# Altium PCB DC_DC_CONVERTER.PcbDoc
Units mm, origin at the board's own origin, x right, y up, seen from the top; angles counter-clockwise.
Board outline 109.38 x 97.1 mm, 2 copper layers (Top Layer, Bottom Layer); 42 components, 26 nets, 112 pads, 15 vias.
Unrouted connection lines stored in the file: 9.
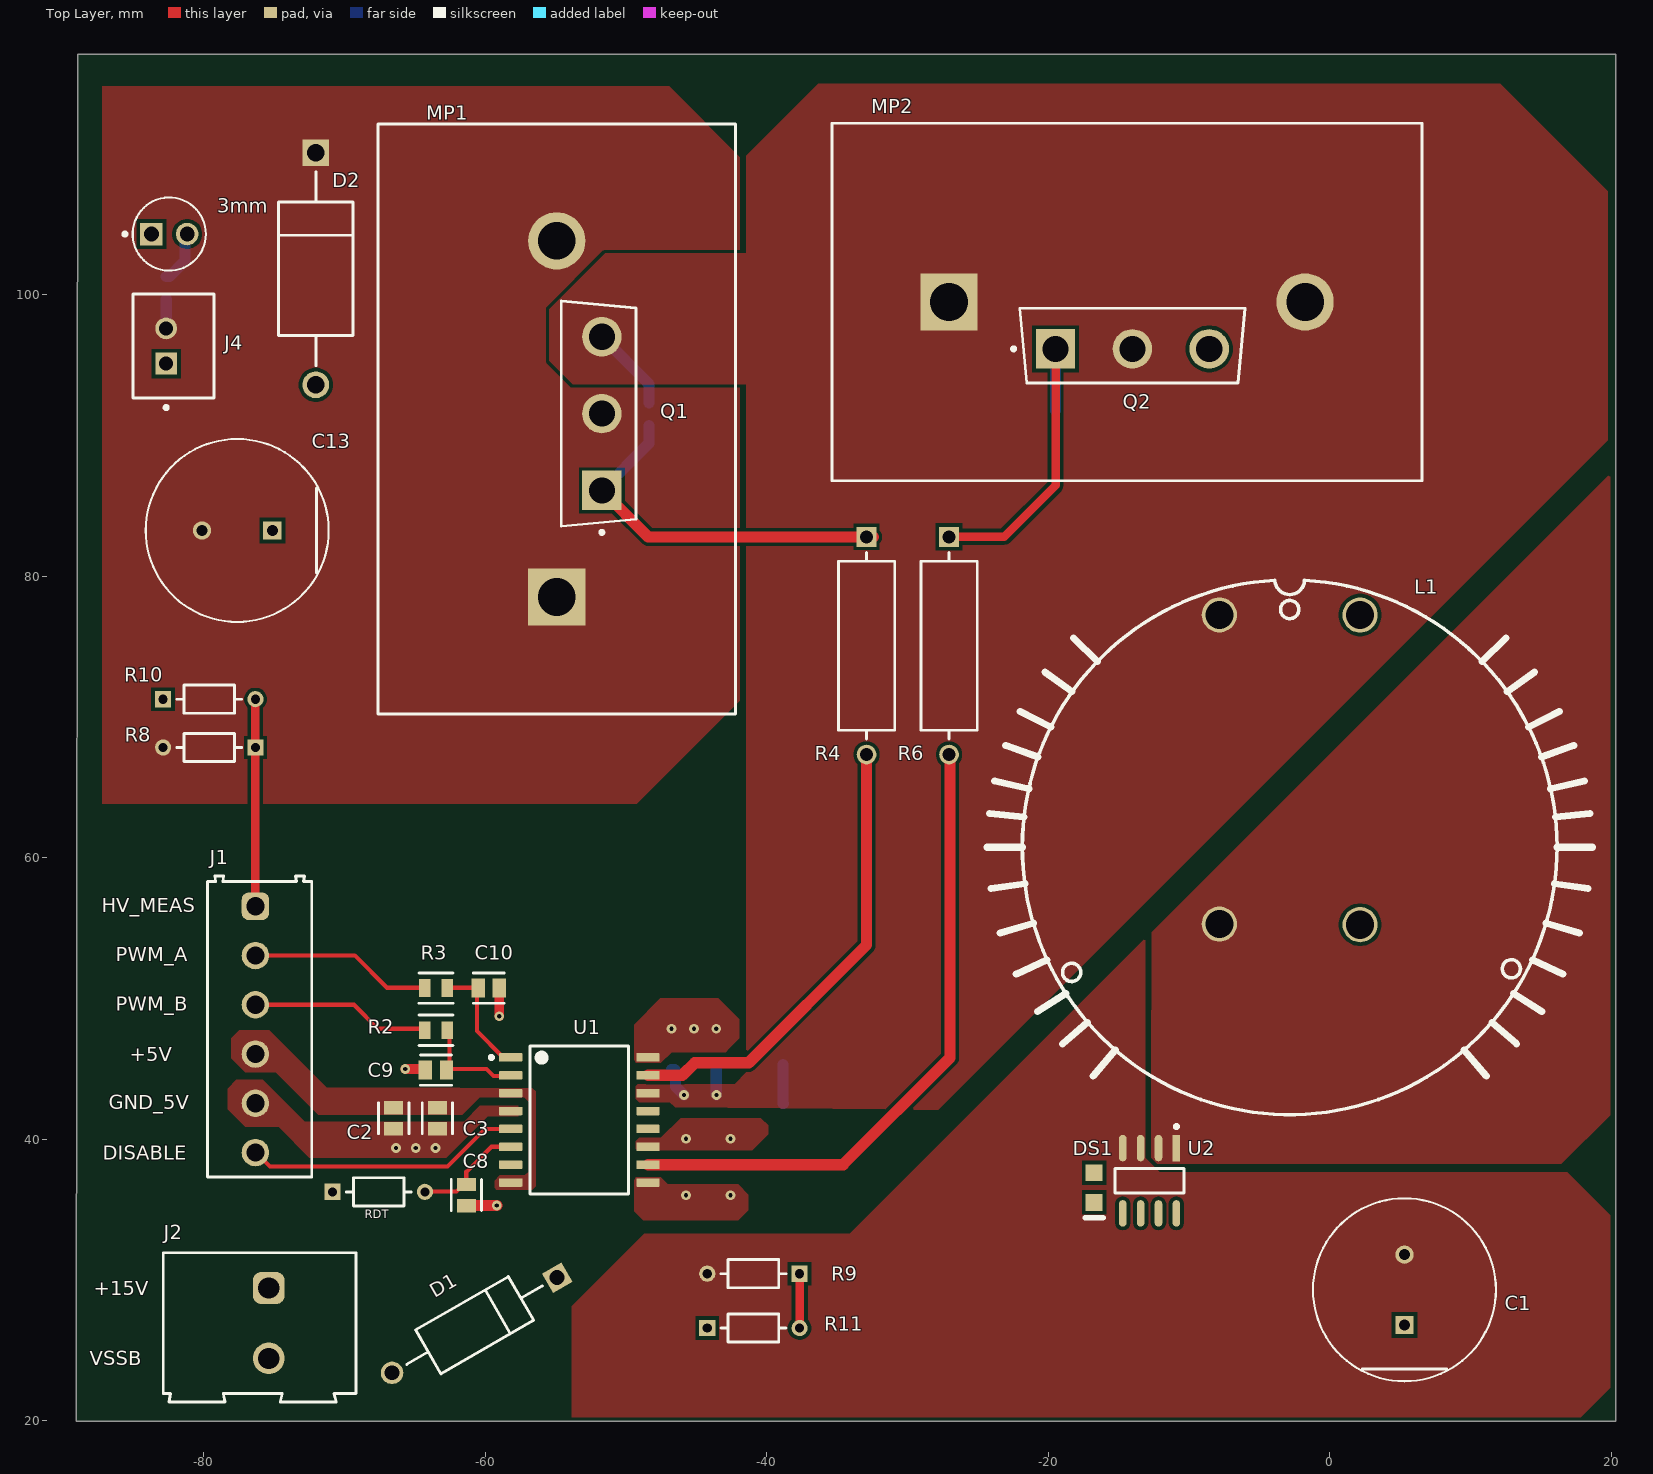
[diagram p0: Top Layer view]
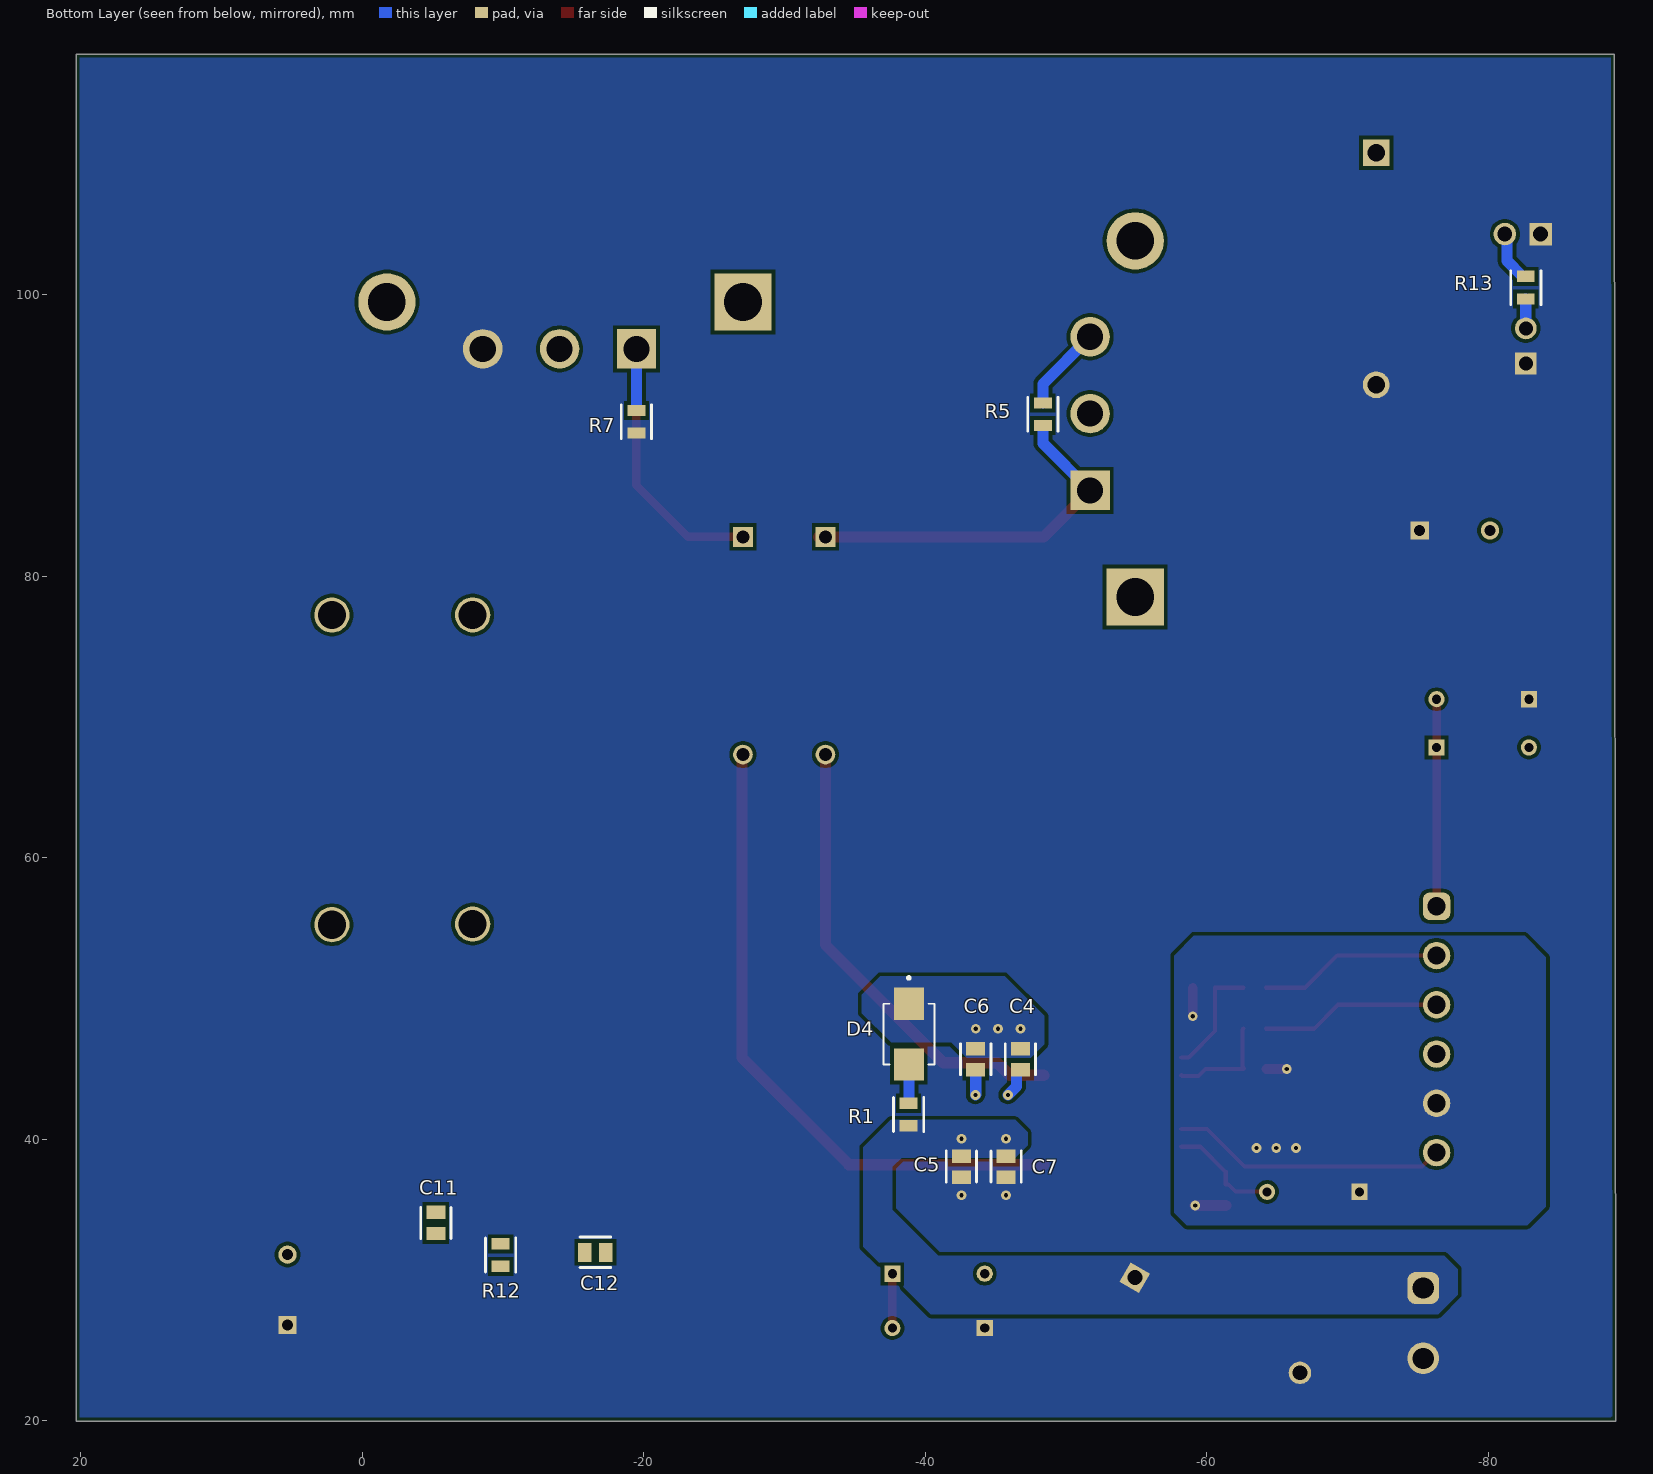
[diagram p1: Bottom Layer view, seen from below]
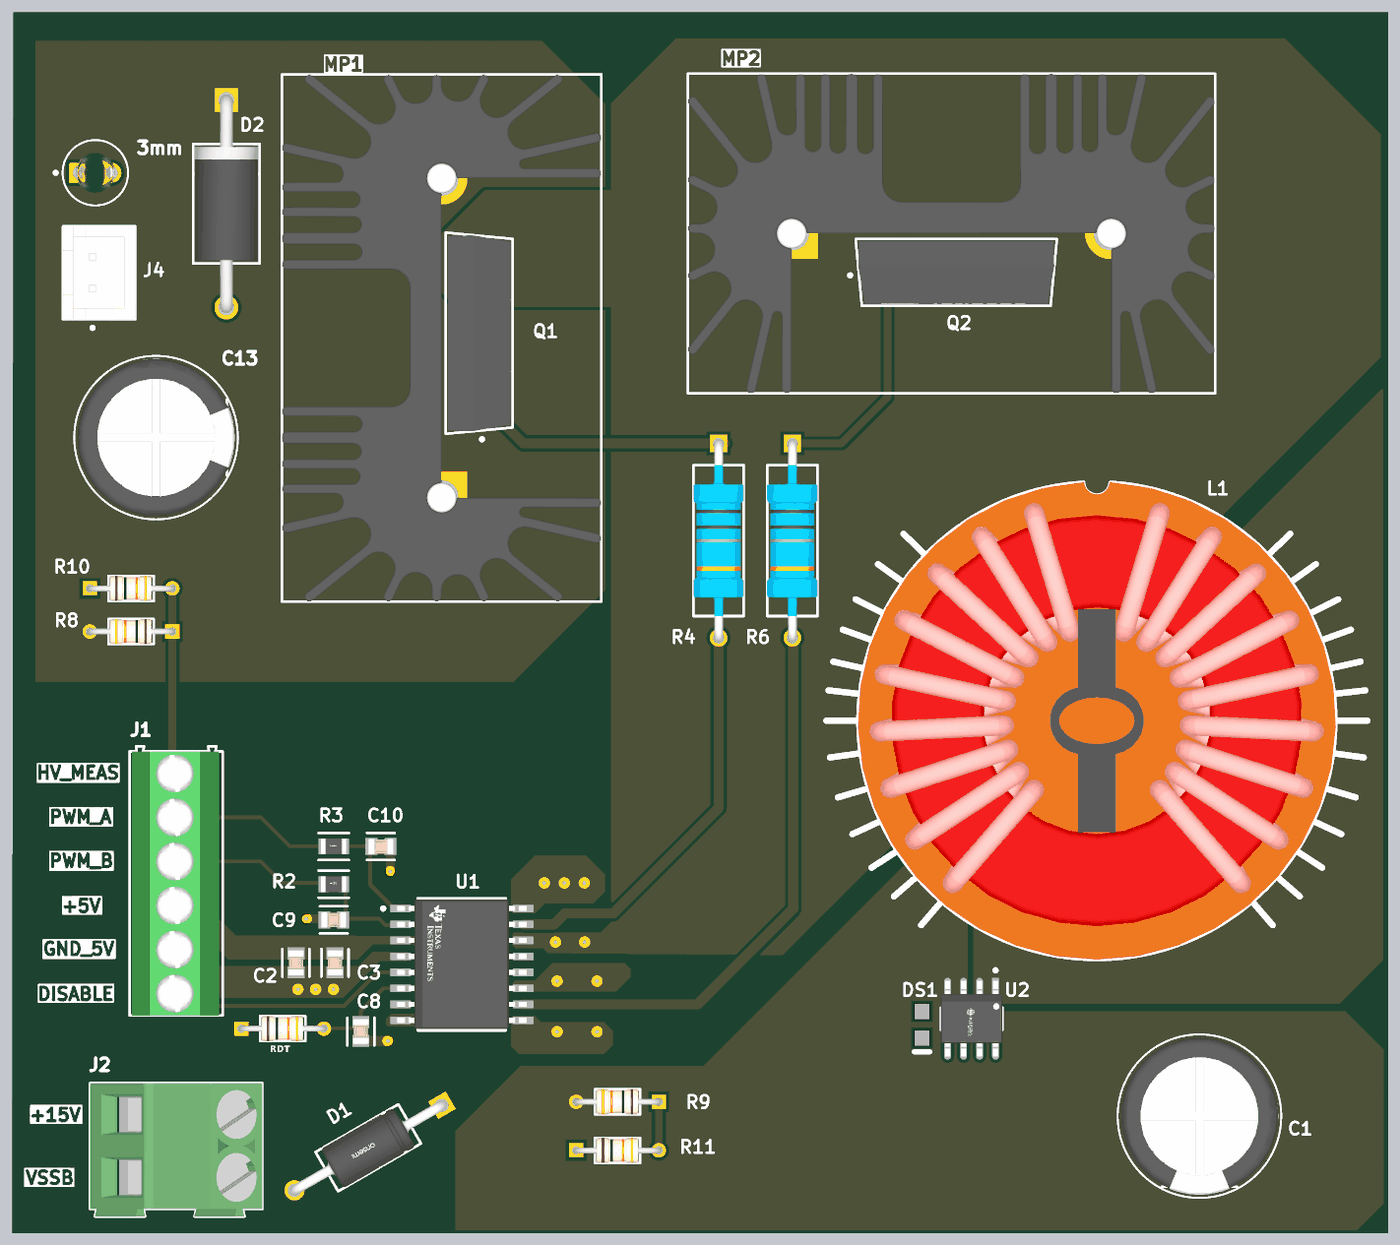
[diagram p2: 3D render of the assembled board from above, using the file's embedded part models]
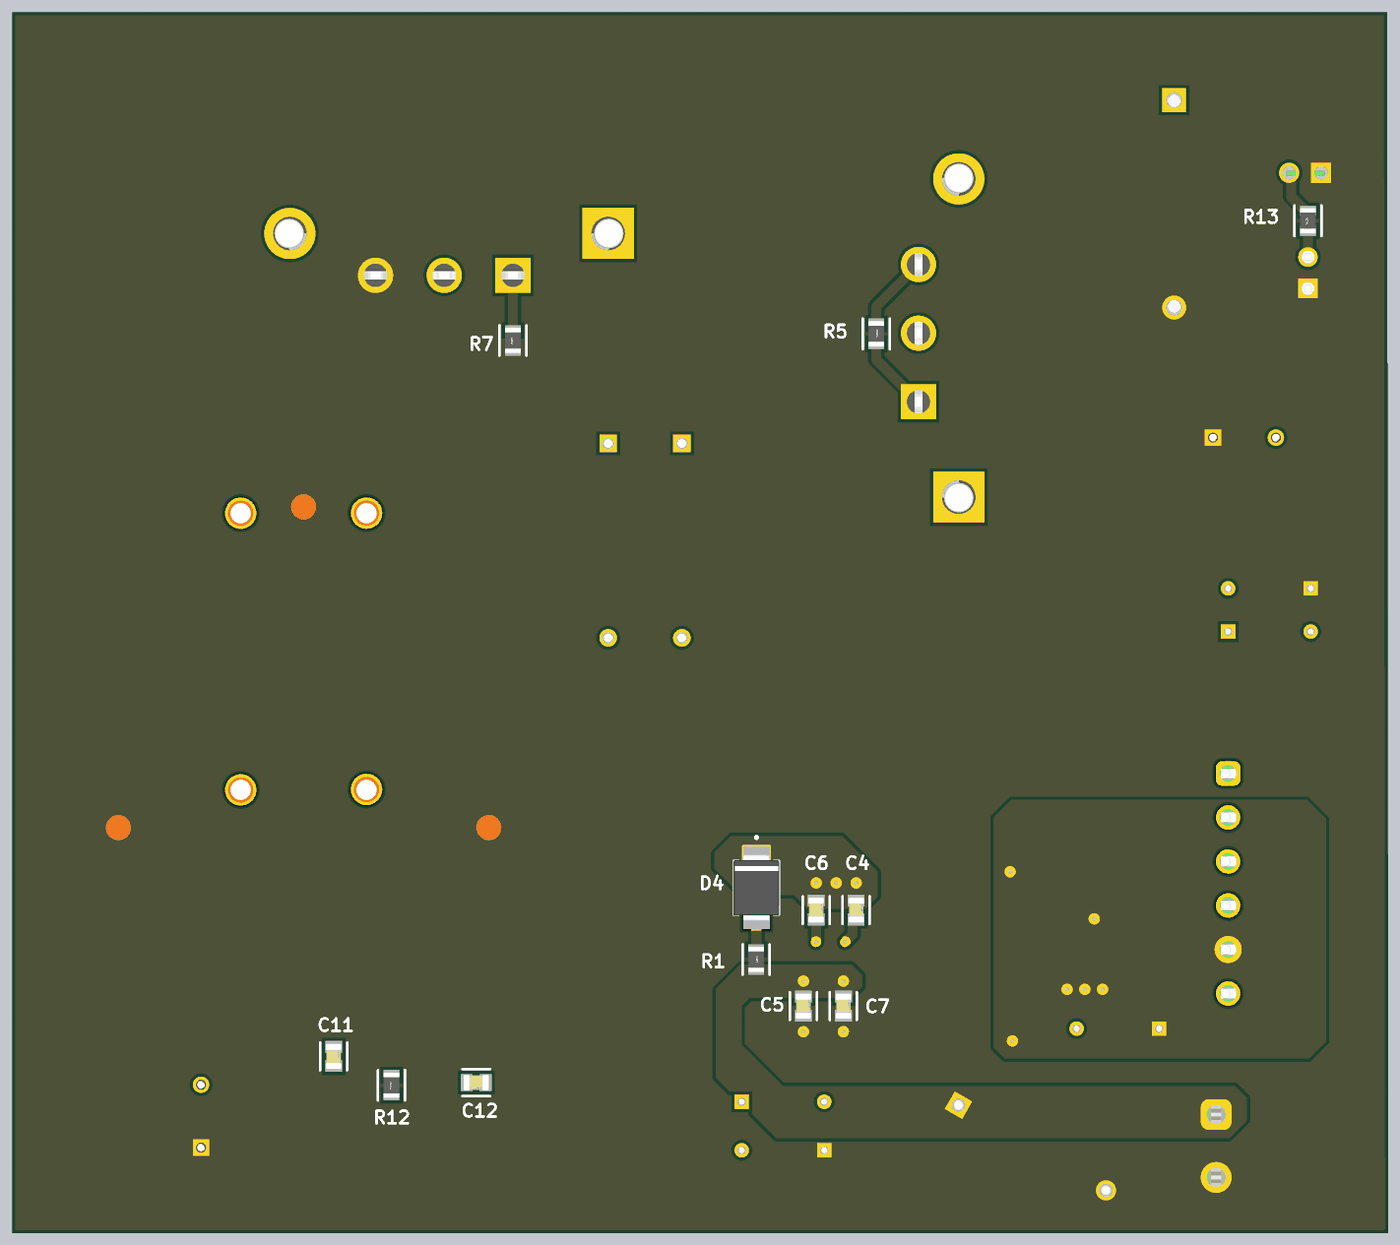
[diagram p3: 3D render of the assembled board from below, using the file's embedded part models]

## Layer stack, top to bottom
Top Solder: solder mask 0.0102, Solder Resist, Dk 3.5
Top Layer: signal copper 0.0356
Dielectric 1: dielectric 0.32, FR-4, Dk 4.8
Bottom Layer: signal copper 0.0356
Bottom Solder: solder mask 0.0102, Solder Resist, Dk 3.5

## Board outline
-89.058,19.99 20.32,19.99 20.32,117.094 -88.96,117.094

## Design rules (kind name [scope] priority, off if disabled: settings)
BoardOutlineClearance [All] p1: gap=0.254 ignorepadtopadclearanceinfootprint=FALSE except(0: Arc-SplitContinuation Track-SplitContinuation SMDPad-SplitContinuation THPad-SplitContinuation Via-SplitContinuation Fill-SplitContinuation Poly-SplitContinuation Region-SplitContinuation Text-SplitContinuation; 0.4: Track-OutlineEdge)
Clearance [All] p1: gap=0.254 ignorepadtopadclearanceinfootprint=FALSE except(0: Arc-Hole Track-Hole SMDPad-Hole THPad-Hole Via-Hole Fill-Hole Poly-Hole Region-Hole Text-Hole; 0.3: Arc-SMDPad Arc-Via Track-SMDPad Track-Via SMDPad-SMDPad Via-Via; 0.4: Arc-THPad Track-THPad; 0.6: THPad-THPad)
HoleSize [All] p1: absolutevalues=TRUE maxlimit=6.3 minlimit=0.3 maxpercent=80.000 minpercent=20.000
HoleToHoleClearance [All] p1: gap=0.6 allowstackedmicrovias=TRUE
MinimumAnnularRing [All] p1: minimumring=0.2
PlaneClearance [All] p1: clearance=1
PlaneConnect [All] p1: planeconnectstyle=Direct reliefexpansion=0.508 reliefentries=4 reliefconductorwidth=0.6 reliefairgap=0.6
PolygonConnect [All] p1: connectstyle=Direct reliefconductorwidth=0.254 reliefentries=4 polygonreliefangle="90 Angle" airgapwidth=0.254
RoutingVias [All] p1: holewidth=0.35 width=0.6 viastyle="Through Hole" minholewidth=0.3 minwidth=0.5 maxholewidth=0.711 maxwidth=1.27
SolderMaskExpansion [All] p1: expansion=0.102 istentingtop=FALSE
Width [All] p1: maxlimit=1.5 minlimit=0.254 preferedwidth=0.6 minimp=50.000000 maximp=50.000000 favimp=50.000000
26 further rules are at their usual default settings.

## Classes and differential pairs
component class Power_Connection: 3mm C1 C11 C12 C13 D2 DS1 J1 J2 J4 L1 MP1 MP2 Q1 Q2 R4 R5 R6 R7 R8 R9 R10 R11 R12 R13 U2
component class Gate_Driver_Connection: C3 C4 C5 C6 C7 C8 C9 C10 C13 D1 D4 R1 R2 R3 RDT U1

## Components (designator, comment, footprint, x,y, rotation, side; value= is the part's Value field where it differs from the comment)
3mm "TLLG4401" FP-6_544-5255_01-4-MFG -82.448,104.318 r0 top
C1 "22uF" FP-RAD-TH-D_12_5_0_5-L_20-MFG 5.309,29.312 r90 top
C2 "2.2 uF" FP-C0805C-DN-MFG -63.398,41.504 r270 top value="0.22 μF"
C3 "220 nF" FP-C0805C-DN-MFG -66.5,41.5 r270 top value="0.22 μF"
C4 "10 uF" FP-C0805C-DN-MFG -46.761,45.695 r270 bottom value="0.22 μF"
C5 "10 uF" FP-C0805C-DN-MFG -42.57,38.063 r270 bottom value="0.22 μF"
C6 "220 nF" FP-C0805C-DN-MFG -43.586,45.695 r270 bottom value="0.22 μF"
C7 "220 nF" FP-C0805C-DN-MFG -45.745,38.063 r270 bottom value="0.22 μF"
C8 "2.2 nF" FP-C0805C-DN-MFG -61.341,36.043 r270 top value="0.22 μF"
C9 "20 pF" FP-C0805C-DN-MFG -63.5,44.915 r180 top value="0.22 μF"
C10 "20 pF" FP-C0805C-DN-MFG -59.75,50.75 r0 top value="0.22 μF"
C11 "220 nF" FP-C0805C-DN-MFG -5.232,34.061 r270 bottom value="0.22 μF"
C12 "1 nF" FP-C0805C-DN-MFG -16.561,31.979 r0 bottom value="0.22 μF"
C13 "22uF" FP-RAD-TH-D_12_5_0_5-L_20-MFG -77.622,83.261 r180 top
D1 "P6KE15A" FP-DO-15-MFG -60.757,26.797 r210 top
D2 "1.5KE150A" FP-DO-201-0 -72.034,101.854 r270 top value=2700pF
D4 "ES3GB" DIOM4336X265N -38.837,47.473 r270 bottom
DS1 "HSMG-C170" AVAG-HSMX-C170_V -16.739,36.576 r270 top
J1 "KF350-6P" PCBComponent_1#1 -76.327,47.811 r270 top
J2 "691211720002" 691211720002 -76.027,26.939 r270 top
J4 "B2B-XH-A(LF)(SN)" FP-B2B-XH-A_LF_SN-MFG -82.144,96.368 r90 top
L1 "Common Mode Choke" PCBComponent_1#2 -2.845,60.752 r0 top
MP1 "532702B02500G" FP-532702B02500G-MFG -54.917,91.182 r90 top
MP2 "532702B02500G" FP-532702B02500G-MFG -14.402,99.492 r0 top
Q1 "IRFP4227PBF" FP-PG-TO247-3-MFG -51.945,91.563 r180 top
Q2 "IRFP4227PBF" FP-PG-TO247-3-MFG -14.022,96.392 r90 top
R1 "120" FP-RC0805-0_6-IPC_C -38.811,41.763 r270 bottom
R2 "100" FP-RC0805-0_6-IPC_C -63.5,47.75 r0 top
R3 "100" FP-RC0805-0_6-IPC_C -63.5,50.75 r0 top
R4 "22" FP-VR37-MFG -32.91,75.071 r270 top
R5 "100K" FP-RC0805-0_6-IPC_C -48.362,91.516 r270 bottom
R6 "22" FP-VR37-MFG -27.049,75.071 r270 top
R7 "100K" FP-RC0805-0_6-IPC_C -19.482,90.983 r90 bottom
R8 "200K" FP-CF18-MFG -79.607,67.843 r180 top value=10kΩ
R9 "200K" FP-CF18-MFG -40.945,30.455 r180 top value=10kΩ
R10 "200K" FP-CF18-MFG -79.607,71.272 r0 top value=10kΩ
R11 "200K" FP-CF18-MFG -40.945,26.594 r0 top value=10kΩ
R12 "2.2K" FP-RC0805-0_6-IPC_C -9.83,31.775 r90 bottom
R13 "100" FP-RC0805-0_6-IPC_C -82.669,100.508 r90 bottom
RDT "200K" FP-CF18-MFG -67.564,36.271 r0 top value=10kΩ
U1 "UCC21520DW" FP-DW0016B-MFG -53.316,41.377 r0 top
U2 "ACS712ELCTR-30A-T" FP-LC-8-IPC_C -12.802,37.059 r270 top

## Footprints (in the part's own frame and the unit in brackets; to place one, negate y for a bottom-side part, rotate by r counter-clockwise, add the part's x,y. Pads: shape width x height; smd on the part's side, far side on the other; paste and mask are expansions set on the pad)
691211720002 [mm] "5,00mm - modular - green -45¡ã entry with rising cage clamp - 02p"
  rrect50% 2.25x2.25 hole 1.5: 1(-2.5,0.65)
  round 2.25 hole 1.5: 2(2.5,0.65)
  silkscreen extent -5,-6.85 5.6,6.85, body extent -5,-6.85 5.6,6.85, height 15.72
AVAG-HSMX-C170_V [mm] "SMD, 2-Leads, Body 2x1.25mm, Height 0.8mm"
  rect 1.2x1.2 smd: 1(-1.05,0) 2(1.05,0)
  silkscreen extent 2.15,-0.63 2.15,0.63, body extent -1,-0.63 1,0.63, height 0.8
DIOM4336X265N [mm]
  rect 2.28x2.12 smd: A(2.165,0) C(-2.165,0)
  silkscreen extent -4.1,-1.81 2.16,1.81, body extent -2.67,-1.81 2.67,1.81, height 2.65
FP-6_544-5255_01-4-MFG [mm]
  rect 1.6x1.6 hole 1.05 paste-2539.97 mask+0: 1(-1.27,0)
  round 1.6 hole 1.05 paste-2539.97 mask+0: 2(1.27,0)
  silkscreen extent -3.27,-2.6 2.6,2.6, body extent -2.32,-2.32 2.32,2.32, height 0.25
FP-532702B02500G-MFG [mm]
  rect 4.07x4.07 hole 2.67 paste-2539.97 mask+0: 1(-12.65,0)
  round 4.07 hole 2.67 paste-2539.97 mask+0: 1(12.65,0)
  silkscreen extent -20.95,-12.7 20.95,12.7, body extent -21.05,-12.8 21.05,12.8, height 0.25
FP-B2B-XH-A_LF_SN-MFG [mm]
  rect 1.55x1.55 hole 1 paste-2539.97 mask+0: 1(-1.25,0.525)
  round 1.55 hole 1 paste-2539.97 mask+0: 2(1.25,0.525)
  silkscreen extent -4.5,-2.88 3.7,2.88, body extent -3.8,-2.98 3.8,2.98, height 0.25
FP-C0805C-DN-MFG [mm]
  rect 0.95x1.35 smd paste+0 mask+0: 1(-0.75,0) 2(0.75,0)
  silkscreen extent -1.1,-1.07 1.1,1.07, body extent -1,-0.63 1,0.63, height 0.88
FP-CF18-MFG [mm]
  rect 1.15x1.15 hole 0.65 paste-2539.97 mask+0: 1(-3.28,0)
  round 1.15 hole 0.65 paste-2539.97 mask+0: 2(3.28,0)
  silkscreen extent -2.3,-1 2.3,1, body extent -3.96,-1.1 3.96,1.1, height 0.25
FP-DO-15-MFG [mm]
  rect 1.6x1.6 hole 1.05 paste-2539.97 mask+0: 1(-6.77,0)
  round 1.6 hole 1.05 paste-2539.97 mask+0: 2(6.77,0)
  silkscreen extent -5.57,-1.8 5.57,1.8, body extent -7.67,-1.9 7.67,1.9, height 0.25
FP-DO-201-0 [mm]
  rect 1.9x1.9 hole 1.25 paste-2539.97 mask+0: 1(-8.248,0)
  round 1.9 hole 1.25 paste-2539.97 mask+0: 2(8.248,0)
  silkscreen extent -6.9,-2.65 6.9,2.65, body extent -9.3,-2.75 9.3,2.75, height 0.25
FP-DW0016B-MFG [mm]
  rrect17% 1.65x0.6 smd paste+0 mask+0: 1(-4.875,4.445) 2(-4.875,3.175) 3(-4.875,1.905) 4(-4.875,0.635) 5(-4.875,-0.635) 6(-4.875,-1.905) 7(-4.875,-3.175) 8(-4.875,-4.445) 9(4.875,-4.445) 10(4.875,-3.175) 11(4.875,-1.905) 12(4.875,-0.635) 13(4.875,0.635) 14(4.875,1.905) 15(4.875,3.175) 16(4.875,4.445)
  silkscreen extent -6.37,-5.25 3.5,5.25, body extent -5.8,-5.5 5.8,5.5, height 0.25
FP-LC-8-IPC_C [mm]
  rect 1.874x0.542 smd paste+0 mask+0: 1(-2.316,1.905)
  rrect100% 1.874x0.542 smd paste+0 mask+0: 2(-2.316,0.635) 3(-2.316,-0.635) 4(-2.316,-1.905) 5(2.316,-1.905) 6(2.316,-0.635) 7(2.316,0.635) 8(2.316,1.905)
  silkscreen extent -3.97,-2.45 0.88,2.45, body extent -3.35,-2.55 3.35,2.55, height 0.25
FP-PG-TO247-3-MFG [mm]
  rect 2.8x2.8 hole 1.85 paste-2539.97 mask+0: 1(-0.228,5.46)
  round 2.8 hole 1.85 paste-2539.97 mask+0: 2(-0.228,0) 3(-0.228,-5.46)
  silkscreen extent -2.66,-8 2.66,8.56, body extent -2.76,-8.16 2.76,8.16, height 0.25
FP-RAD-TH-D_12_5_0_5-L_20-MFG [mm]
  rect 1.3x1.3 hole 0.8 paste-2539.97 mask+0: 1(-2.5,0)
  round 1.3 hole 0.8 paste-2539.97 mask+0: 2(2.5,0)
  silkscreen extent -6.5,-6.5 6.5,6.5, body extent -6.6,-6.6 6.6,6.6, height 0.25
FP-RC0805-0_6-IPC_C [mm]
  rect 0.808x1.262 smd paste+0 mask+0: 1(-0.802,0) 2(0.802,0)
  silkscreen extent -1.21,-1.07 1.21,1.07, body extent -1,-0.63 1,0.63, height 0.6
FP-VR37-MFG [mm]
  rect 1.4x1.4 hole 0.9 paste-2539.97 mask+0: 1(-7.73,0)
  round 1.4 hole 0.9 paste-2539.97 mask+0: 2(7.73,0)
  silkscreen extent -6.63,-2 6.63,2, body extent -8.53,-2.1 8.53,2.1, height 0.25
PCBComponent_1#1 [mm]
  rrect50% 1.95x1.95 hole 1.3: 1(-8.75,0)
  round 1.95 hole 1.3: 2(-5.25,0) 3(-1.75,0) 4(1.75,0) 5(5.25,0) 6(8.75,0)
  silkscreen extent -10.9,-3.4 10.5,4, body extent -10.5,-3.2 10.5,3.7, height 8.8
PCBComponent_1#2 [mm]
  round 2.5 hole 2: 1(5,16.5) 2(5,-5.5) 3(-5,-5.461) 4(-5,16.51)
  silkscreen extent -21.5,-19 21.5,18.97, body extent -19,-19 19,18.97, height 19.29

## Part data
3mm: library part CMP-00030-39390728-1, "TLLG4401 LED, Green, 2mcd, 3mmDia., T-1, +/-25deg, 565nm, 7mA, 1.9V Vf, 20V Vr, 20mW, -40", Ambient Temperature Range High=100°C, Case/Package=Radial, Color=Green, Forward Current=2mA, Forward Voltage=1.9V, Min Operating Temperature=-40°C, Power Dissipation=20mW, Reverse Voltage=6V, Voltage Rating (DC)=2.4V, Depth=3.2mm, Dominant Wavelength=575nm, Height=4.5mm, Illumination Color=Green, Lead Free="Lead Free", Lead Length=23mm, Length=3.2mm, Lens Color=Green, Lens Style="Circular, Colored, Diffused, Dome, Round, Tinted", Lens Transparency=Diffused, Luminous Intensity=2mcd, Max Junction Temperature (Tj)=100°C, Max Operating Temperature=100°C, Mount="Through Hole", NexarPartId=39390728, Number of Elements=1, Number of LEDs=1, Number of Pins=2, Packaging=Bulk, Peak Wavelength=565nm, Radiation Hardening=No, REACH SVHC=Unknown, RoHS=Compliant, Schedule B="8541402000, 8541402000", Test Current=2mA, Viewing Angle=25°, Wavelength=575nm
C1 C13: library part CMP-05427-001477-1, "Aluminum Electrolytic Capacitors (Radial Lead Type) 47uF ±20% 160V", Capacitance=47uF, Case/Package=Radial, Max Operating Temperature=105°C, Min Operating Temperature=-25°C, Package Quantity=500, Ripple Current=220mA, Tolerance=20%, Voltage Rating=160V, Diameter=12.5mm, Height=20mm, Height - Seated (Max)=0.866inch, Lead Diameter=0.6mm, Lead Pitch=5mm, Lead/Base Style=Straight, Length=20mm, Life (Hours)=2000Hour, Mount="Through Hole", Packaging="Ammo Pack", Radiation Hardening=No, RoHS Compliant=Yes, Series=NHG, Termination=Radial, Voltage Rating (DC)=160V, Width=12.5mm
C2 C3 C4 C5 C6 C7 C8 C9 C10 C11 C12: library part CMP-1036-04552-2, "CAP CER 0.22UF 50V X7R 0805", Capacitance="0.22 μF", Manufacturer=KEMET, Manufacturer Part Number=C0805C224K5RACTU, Package=C0805C-DN, Temperature="-55°C to +125°C", Temperature Characteristic=X7R, Temperature Coefficient=30ppm/°C, Temperature Range High=+125°C, Temperature Range Low=-55°C, Tolerance=0.1, Voltage Rating="50 V", Automotive=No, Category=Cap, ComponentLink2Description=Datasheet, ComponentLink2URL=https://content.kemet.com/datasheets/KEM_C1003_C0G_SMD.pdf, Device Class L1="Passive Components", Device Class L2=Capacitors, Device Class L3="Ceramic Capacitors", Digikey Description="CAP CER 0.22UF 50V X7R 0805", Height=0.88mm, Ipc Land Pattern Name=CAPC200125X78, Lead Free=Yes, Material=Ceramic, Mouser Description="CAP CER 0.22UF 50V X7R 0805", Octopart=https://octopart.com/c0805c224k5ractu-kemet-144670, RoHS=TRUE
D1: library part CMP-00278-00112159-1, "P6KE15A 600 Watt SUR40 Transient Voltage Suppressor, 15 V, Unidirectional", Breakdown Voltage=14.3V, Capacitance=1.6pF, Case/Package=DO-15, Clamping Voltage=21.2V, Current Rating=28A, Leakage Current=5µA, Max Breakdown Voltage=15.8V, Max Operating Temperature=150°C, Max Power Dissipation=600W, Min Operating Temperature=-55°C, Operating Supply Voltage=12.8V, Power Line Protection=No, Test Current=1mA, Voltage Rating (DC)=15V, Composition=Zener, Diameter=3.56mm, Direction=Unidirectional, Element Configuration=Single, ESD Protection=No, Height=3.56mm, Lead Free="Lead Free", Length=6.75mm, Max Reverse Leakage Current=5µA, Max Surge Current=28A, Min Breakdown Voltage=14.3V, Mount="Through Hole", NexarPartId=112159, Number of Channels=1, Number of Elements=1, Number of Pins=2, Number of Unidirectional Channels=1, Packaging=Bulk, Peak Pulse Current=28A, Peak Pulse Power=600W, Polarity=Unidirectional, Power Dissipation=600W, Power Rating=600W, Radiation Hardening=No, REACH SVHC="No SVHC", Reverse Breakdown Voltage=14.3V, Reverse Standoff Voltage=12.8V, RoHS=Compliant, Termination=Axial, Weight=300mg, Width=3.56mm
D2: library part CMP-12225-000015-1, "TVS DIODE 28.2V 59V DO201", Breakdown Voltage=31.4V, Capacitance=2700pF, Clamping Voltage=45.7V, Manufacturer=STMicroelectronics, Manufacturer Part Number=1.5KE33A, Max Junction Temp=+175°C, Package=DO-201, Peak Pulse Current=33A, Peak Pulse Power=1500W, Reverse Standoff Voltage=28.2V, Temperature="to +175°C", Automotive=No, Category=Diode, ComponentLink2Description=Datasheet, ComponentLink2URL=https://www.st.com/resource/en/datasheet/1-5ke.pdf, Device Class L1="Circuit Protection", Device Class L2="TVS Diodes", Device Class L3=unset, Digikey Description="TVS DIODE 28.2V 59V DO201", Direction=Unidirectional, Height=5.3mm, Ipc Land Pattern Name=DIOPA1650W125L950D530, Lead Free=Yes, Number of Channels=1, Octopart=https://octopart.com/1.5ke33a-stmicroelectronics-345963, RoHS=TRUE, Temperature Range High=+175°C
D4: Package=None, Availability=Unavailable, MF="{'manufacturer': u'Taiwan Semiconductor'}", MP=ES3GB, Price=None
DS1: library part CMP-2000-05062-1, "Chip LED, Green, 2.2 V, -40 to 85 degC, 2-Pin SMD, Pb-Free, Tape and Reel", Forward Current If=20mA, Forward Voltage=2.2V, Forward Voltage VF Max=2.6V, LED Colour=Green, Manufacturer=Avago, Operating Temperature Max=85degC, Operating Temperature Min=-30degC, Operating Temperature Range=-30degCto+85degC, Opto Case Style=SMD, Package Description="2-Pin Surface Mount Device, Body 2 x 1.25 mm, Height 0.8 mm", Package Reference=HSMX-C170, Storage Temperature Min=-40degC, Bulb Size=1.25mmx1.4mm, Datasheet URL=https://datasheet.ciiva.com/29280/180495-da-01-en-chip-led-hsmg-c170-gelb-gruen-29280971.pdf, Datasheet Version=Oct-08, Dominant Wavelength=572nm, Dominant Wavelength Typ=572nm, External Depth=0.8mm, External Length / Height=2mm, External Width=1.25mm, Forward Current If Max=20mA, LED Mounting=SMD, LED Type=Standard, Lens Shape=Rectangular, Light Area Height=1mm, Luminous Intensity=15mcd, Luminous Intensity Min=4mcd, Luminous Intensity Typ=15mcd, Manufacturer URL=http://www.avagotech.com/, Mounting Type=SMD, MSL=MSL2A-4weeks, No. of Pins=2, Opto Mounting Orientation=Top, Packaging=CutTape, Peak Forward Current=20mA, Peak Wavelength=570nm, PIV Max=5V, Storage Temperature Max=85degC, SVHC=NoSVHC(16-Jun-2014), Viewing Angle=170deg, Voltage Vf Typ=2.2V, Wavelength Typ=570nm
J2: library part CMP-1502-02524-2, Color=Green, Current=10A, Max Operating Temperature=105°C, Min Operating Temperature=-40°C, Voltage=300V, Connector Type="PCB, Terminal Block", Contact Material=Brass, Contact Plating=Tin, Height=15.5mm, Housing Material=Nylon, Lead Pitch=5mm, Length=13.7mm, Mount="Through Hole", NexarPartId=8917714, Number of Contacts=2, Number of Levels=1, Number of Pins=2, Number of Positions Per Level=2, Packaging=Box, Pitch=5.0038mm, Plating="Brass, Steel", REACH SVHC=Unknown, RoHS=Compliant, Stripping Length=-7mm, Termination=Screw, Width=10mm, Wire Gauge (Max)=24AWG, Wire Gauge (Min)=12AWG, Wire/Cable Gauge=12AWG
J4: library part CMP-2000-05888-3, "CONN HEADER VERT 2POS 2.5MM", Color=Natural, Contact Resistance=20mR, Current Rating=3A, Housing Color=White, Insulation Resistance=1GR, Max Operating Temperature=85°C, Max Voltage Rating (AC)=250V, Min Operating Temperature=-25°C, Connector Type="Male Pin", Contact Material=Brass, Contact Plating=Tin, Contact Type="Male Pin", Depth=5.75mm, Fastening Type=Detent, Housing Material=Polyamide, Lead Free="Lead Free", Lead Pitch=2.5mm, Length=7.4mm, Max Current Rating=3A, Max Voltage Rating (DC)=250V, Mount="Through Hole", Number of Contacts=2, Number of Positions=2, Number of Rows=1, Orientation=Straight, Packaging=Bulk, Pitch=2.5mm, REACH SVHC="No SVHC", Series=XH, Termination=Solder, Voltage Rating=250V, Voltage Rating (AC)=250V, Wire/Cable Gauge=22AWG
L1: library part T60405-R6123-X425, Datasheet=https://eu.mouser.com/datasheet/2/599/6123-X425-240794.pdf
MP1 MP2: library part CMP-69313-000011-1, "HEATSINK TO-220 SOLDERPIN 50.8MM", Case/Package=Radial, Color=Black, Natural Thermal Resistance=4.8°C/W, Package Cooled=TO-220, Package Quantity=250, Thermal Resistance @ Forced Air Flow (100 LFM)=2°C/W, Depth=25.4mm, Finish=Anodized, Height=50.8mm, Height Off Base=1inch, Lead Free="Lead Free", Length=41.91mm, Material=Aluminium, Mount=Bolt, Radiation Hardening=No, RoHS Compliant=Yes, Shape=Fins, Type=Passive, Width=1.65inch
Q1 Q2: library part CMP-32901-000878-1, "MOSFET N-CH 200V 65A TO247AC", Case/Package=TO-247, Continuous Drain Current (ID)=65A, Drain to Source Voltage (Vdss)=200V, Gate to Source Voltage (Vgs)=30V, Input Capacitance=4.6nF, Max Operating Temperature=175°C, Max Power Dissipation=330W, Min Operating Temperature=-40°C, Threshold Voltage=5V, Contact Plating=Tin, Element Configuration=Single, Halogen Free="Not Halogen Free", Height=0.815inch, Lead Free="Lead Free", Length=0.625inch, Max Dual Supply Voltage=200V, Mount="Through Hole", Number of Pins=3, Packaging=Rail/Tube, Power Dissipation=330W, Rds On Max=25mR, REACH SVHC="No SVHC", RoHS Compliant=Yes, Series=HEXFET®, Turn-On Delay Time=33ns, Width=0.209inch
R1 R2 R3 R5 R7 R12 R13: library part CMP-2100-03668-5, "RES 100K OHM 1% 1/8W 0805", Case Code (Imperial)=0805, Case Code (Metric)=2012, Max Operating Temperature=155°C, Max Power Dissipation=125mW, Min Operating Temperature=-55°C, Package Quantity=1, Resistance=100kR, Resistance Tolerance=1%, Resistor Type="Thick Film", Temperature Coefficient=100ppm/°C, Voltage Rating=150V, Case/Package=0805, Construction=Rectangular, Depth=1.25mm, Features="Moisture Resistant", Height=0.024inch, Lead Free="Lead Free", Lead Pitch=0.4mm, Length=0.079inch, Military Standard=Not, Number of Pins=2, Number of Terminations=2, Packaging="Tape and Reel", Power Rating=125mW, RoHS Compliant=Yes, Series=RC, Size Code=0805, Technology="THICK FILM", Termination=SMD/SMT, Tolerance=1%, Voltage Rating (DC)=150V, Width=0.049inch
R4 R6: library part CMP-02408-000054-1, "RES 1.2M OHM 5% 1/2W AXIAL", Case/Package=Conformal, Max Operating Temperature=155°C, Min Operating Temperature=-55°C, Power Rating=500mW, Resistance=1.2MR, Resistance Tolerance=5%, Resistor Type="Metal Film", Temperature Coefficient=200ppm/°C, Voltage Rating=3.5kV, Construction=Cylindrical, Contact Plating=Tin, Diameter=4mm, Length=10mm, Military Standard=Not, Mount="Through Hole", Packaging="Ammo Pack", Radiation Hardening=No, Reach SVHC Compliant=Yes, Termination=Axial, Tolerance=5%, Voltage Rating (DC)=3.5kV
R8 R9 R10 R11 RDT: library part CMP-26528-000002-1, "RES 10K OHM 1/8W 5% CF AXIAL", Manufacturer="Stackpole Electronics", Manufacturer Part Number=CF18JT10K0, Package=CF18, Power Rating=0.125W, Resistance=10kΩ, Temperature="-55°C to +155°C", Temperature Coefficient=0-500ppm/°C, Temperature Range High=+155°C, Temperature Range Low=-55°C, Tolerance=5%, Voltage Rating=250V, Automotive=No, Category=Res, ComponentLink2Description=Datasheet, ComponentLink2URL=http://www.seielect.com/Catalog/SEI-CF_CFM.pdf, Composition="Carbon Film", Device Class L1="Passive Components", Device Class L2=Resistors, Device Class L3="Through-Hole Resistors", Digikey Description="RES 10K OHM 1/8W 5% CF AXIAL", Height=2mm, Ipc Land Pattern Name=RESAD656W65L360D200, Lead Free=Yes, Octopart=https://octopart.com/cf18jt10k0-stackpole+electronics-19205642, RoHS=TRUE, Series=CF
U1: library part CMP-04912-000047-1, "DGTL ISO 5.7KV GATE DRVR 16SOIC", Case/Package=SOIC, Max Operating Temperature=125°C, Max Output Current=6A, Max Supply Voltage=25V, Min Operating Temperature=-40°C, Min Supply Voltage=6.5V, Working Voltage=2.121kV, Lead Free="Lead Free", Number of Channels=2, Number of Pins=16, REACH SVHC="No SVHC"
U2: library part CMP-2000-04990-2, "SENSOR CURRENT HALL 30A AC/DC", Case/Package=SOIC, Current Sensing=30A, Frequency=80kHz, Max Operating Temperature=85°C, Max Supply Current=13mA, Max Supply Voltage=5.5V, Min Operating Temperature=-40°C, Min Supply Voltage=4.5V, Operating Supply Voltage=5V, Output Current=10mA, Package Quantity=1, Accuracy=1.5%, Bandwidth=80kHz, Lead Free="Lead Free", Linearity=1.5%, Mount="Surface Mount", Number of Channels=1, Number of Pins=8, Packaging="Cut Tape", Polarity=Bidirectional, Quiescent Current=10mA, REACH SVHC="No SVHC", Response Time=5us, RoHS Compliant=Yes, Sensitivity=66mV/A, Series=-, Termination=SMD/SMT

## Via types
v1: diameter 0.7, hole 0.3, Top Layer to Bottom Layer, 15 vias

## Nets (pads, with @x,y where several pads share a name; then routed paths per layer and width w, separated by ;. In a path a pad name is that pad's centre, name@x,y a point inside that pad or via, vN(x,y) a via of type N, cw(c..) or ccw(c..) an arc to the next point about the centre after c; other vN are vias at no path point)
CURRENT_MEASU: U2.7
DIS: J1.6 U1.5 | length 19.7
  Top Layer w0.3: J1.6@-76.329,39.061 -76.286,39.061 -75.3,38.075 -62.687,38.075 -60.02,40.742 U1.5
DT: C8.1 RDT.2 U1.6 | length 7.9
  Top Layer w0.3: RDT.2 -64.259,36.297 -62.037,36.297 -61.541,36.793 C8.1 -61.341,37.694 -59.563,39.472 U1.6
GND_5V: C2.2 C3.2 C8.2 C9.2 C10.2 C11.2 C12.2 DS1.2 J1.5 RDT.1 U1.4 U2.5 | length 5.6
  Top Layer w0.7: v1(-65.684,45) C9.2@-64.25,45 ; v1(-59,48.743) C10.2
  Top Layer w0.8: C8.2 v1(-59.182,35.293)
  other v1: -66.345,39.395 -64.935,39.395 -63.525,39.395
HV_MEAS: J1.1 R8.1 R10.2 | length 14.7
  Top Layer w0.6: J1.1 R8.1 R10.2
HV_SIDE: C13.2 D2.1 J4.2 MP1.1 Q1.2 R8.2 R13.1 | length 2.1
  Bottom Layer w0.8: J4.2 R13.1
INA: C10.1 R3.2 U1.1 | length 8.3
  Top Layer w0.3: R3.2@-62.59,50.781 -62.596,50.775 -60.592,50.775 -60.592,47.698 -58.716,45.822 U1.1
INB: C9.1 R2.2 U1.2 | length 7.6
  Top Layer w0.3: R2.2@-62.596,47.854 -62.546,47.803 -62.546,45.162 -62.648,45.06 -62.596,45.008 -59.919,45.008 -59.411,44.5 -58.243,44.5 U1.2
LV_MEAS: R9.1 R11.2 | length 3.9
  Top Layer w0.6: R11.2 R9.1
LV_SIDE: C1.2 R9.2 U2.3 U2.4
MCP+ve: L1.3 U2.1 U2.2
Net3mm_2: 3mm.2 R13.2 | length 3.8
  Bottom Layer w0.8: R13.2 -82.442,101.31 -81.331,102.42 -81.331,104.165 3mm.2
NetC12_1: C12.1 U2.6
NetD4_A: D4.A R1.1 | length 2.8
  Bottom Layer w0.8: D4.A -38.837,42.569 -38.833,42.565 R1.1
NetDS1_1: DS1.1 R12.1
NetQ1_1: Q1.1 R4.1 R5.2 | length 26.7
  Top Layer w0.8: Q1.1 -48.415,82.801 R4.1@-32.436,82.801
  Bottom Layer w0.8: Q1.1 -48.362,89.459 R5.2
NetQ2_1: Q2.1 R6.1 R7.2 | length 23.1
  Top Layer w0.6: R6.1@-27.009,82.801 -23.139,82.801 -19.482,86.459 Q2.1
  Bottom Layer w0.8: R7.2 Q2.1
OUTA: R4.2 U1.15 | length 32.9
  Top Layer w0.8: U1.15 -45.999,44.552 -45.11,45.441 -41.275,45.441 -32.91,53.806 R4.2
OUTB: R6.2 U1.10 | length 46.2
  Top Layer w0.8: U1.10 -34.569,38.202 -26.975,45.796 R6.2@-26.975,67.4
PWM_A: J1.2 R3.1 | length 13.1
  Top Layer w0.3: J1.2 -69.266,53.061 -66.98,50.775 R3.1@-64.2,50.775
PWM_B: J1.3 R2.1 | length 12.8
  Top Layer w0.3: J1.3 -69.321,49.561 -67.614,47.854 R2.1@-64.2,47.854
VCCI: C2.1 C3.1 C11.1 J1.4 R12.2 U1.3 U1.8 U2.8
VDD: C5.1 C7.1 D1.1 J2.1 R1.2 U1.11
  other v1: -45.745,40.048 -42.57,40.048
VDDA: C4.1 C6.1 D4.C U1.16
  other v1: -46.761,47.854 -45.174,47.854 -43.586,47.854
VSSA: C4.2 C6.2 L1.4 MP2.1 Q1.3 Q2.2 R5.1 U1.14 | length 10.2
  Bottom Layer w0.8: Q1.3 -48.362,93.667 R5.1 ; C4.2 -46.561,44.945 -46.486,44.87 -46.486,43.769 v1(-45.872,43.155) ; C6.2 -43.586,43.18 v1(-43.561,43.155)
VSSB: 3mm.1 C1.1 C5.2 C7.2 C13.1 D1.2 D2.2 J2.2 J4.1 Q2.3 R7.1 R10.1 R11.1 U1.9
  other v1: -45.745,36.027 -42.57,36.027
pads on no net: L1.1 L1.2 U1.7 U1.12 U1.13

## Polygon pours and split planes (outlines as drawn)
GND_5V on Top Layer "NONET_L-01_P-001" (solid, pour order 2): -72.834,41.262 -75.819,44.247 -77.673,44.247 -78.308,43.612 -78.308,42.139 -77.064,40.894 -74.676,40.894 -72.492,38.71 -67.208,38.71 -62.763,38.71 -59.825,41.648 -57.666,41.648 -57.666,42.376 -60.393,42.376 -61.507,41.262
VCCI on Top Layer "NONET_L-01_P-001" (solid, pour order 1): -61.773,43.637 -61.798,43.663 -71.272,43.663 -75.362,47.752 -77.47,47.752 -78.029,47.193 -78.029,45.771 -77.038,44.78 -74.879,44.78 -71.857,41.758 -61.62,41.758 -60.403,42.975 -57.226,42.975 -56.923,42.672 -56.921,42.672 -56.921,37.694 -57.175,37.44 -58.953,37.44 -59.334,37.059 -59.334,36.551 -59.207,36.424 -56.667,36.424 -56.413,36.678 -56.413,43.409 -56.642,43.637
VDDA on Top Layer "NONET_L-01_P-001" (solid, pour order 10): -49.428,48.158 -47.549,50.038 -43.434,50.038 -41.935,48.539 -41.935,47.168 -42.647,46.457 -42.901,46.203 -46.761,46.203 -47.523,45.441 -49.301,45.441 -49.428,45.695
LV_SIDE on Top Layer "NONET_L-01_P-001" (solid, pour order 29): -53.848,28.143 -48.692,33.299 -34.112,33.299 -13.106,54.305 -13.106,38.71 -12.065,37.668 16.866,37.668 19.939,34.595 19.939,22.352 17.577,19.99 -53.848,19.99
MCP+ve on Top Layer "NONET_L-01_P-001" (solid, pour order 27): -12.675,38.684 -12.243,38.252 16.459,38.252 19.914,41.707 19.914,87.249 -12.636,54.699 -12.675,43.663
VSSA on Top Layer "NONET_L-01_P-001" (solid, pour order 9): -41.453,44.781 -42.266,43.917 -49.174,43.917 -49.301,43.79 -49.301,42.901 -49.047,42.647 -46.888,42.647 -46.507,42.266 -27.821,42.105 19.736,89.662 19.736,107.351 12.101,114.986 -36.347,114.986 -41.453,109.88 -41.453,102.946 -51.486,102.946 -55.448,98.984 -55.448,95.301 -53.797,93.65 -41.453,93.65
HV_SIDE on Top Layer "NONET_L-01_P-001" (solid, pour order 20): -41.91,71.171 -49.251,63.83 -87.224,63.83 -87.224,114.808 -46.939,114.808 -41.91,109.779
VSSB on Top Layer "NONET_L-01_P-001" (solid, pour order 25): -47.015,36.805 -42.037,36.805 -41.3,36.068 -41.3,34.976 -42.037,34.239 -48.768,34.239 -49.428,34.9 -49.428,37.059 -49.301,37.313 -47.523,37.313
VDD on Top Layer "NONET_L-01_P-001" (solid, pour order 15): -49.174,39.218 -41.046,39.218 -39.903,40.361 -39.903,40.996 -40.411,41.504 -46.126,41.504 -47.523,40.107 -49.047,40.107 -49.301,39.853 -49.301,39.345
VDD on Bottom Layer "NONET_L-01_P-001" (solid, pour order 19): -76.886,31.725 -77.826,30.785 -77.826,28.956 -76.429,27.559 -69.501,27.559 -40.399,27.559 -37.027,30.931 -35.601,32.356 -35.601,39.43 -37.548,41.377 -38.887,41.377 -46.38,41.377 -47.269,40.488 -47.269,39.599 -46.38,38.71 -38.329,38.71 -37.655,38.036 -37.655,34.989 -40.919,31.725
VDDA on Bottom Layer "NONET_L-01_P-001" (solid, pour order 11): -48.469,48.775 -45.657,51.587 -36.805,51.587 -35.484,50.267 -35.484,48.971 -37.57,46.885 -41.834,46.885 -42.936,45.783 -47.508,45.783 -48.469,46.744
VSSB on Bottom Layer "VSSB_L02_P028" (solid, pour order 28): -89.058,19.99 20.32,19.99 20.32,117.094 -88.96,117.094
GND_5V on Bottom Layer "NONET_L-01_P-001" (solid, pour order 12): -70.79,33.884 -82.753,33.884 -84.099,35.23 -84.099,52.934 -82.575,54.458 -59.08,54.458 -57.683,53.061 -57.683,34.773 -58.572,33.884

## Silkscreen, mask and mechanical layers (free items; w line width, h text height)
Top Overlay:
  text "HV_MEAS" at -87.255,56.144 h1
  text "PWM_A" at -86.256,52.644 h1
  text "PWM_B" at -86.256,49.144 h1
  text "+5V" at -85.256,45.561 h1
  text "GND_5V" at -86.755,42.144 h1
  text "DISABLE" at -87.172,38.561 h1
  text "+15V" at -87.809,28.939 h1
  text "VSSB" at -88.114,23.939 h1
Mechanical 1:
  the board outline again, w0.2